# KiCad board beaglebone-ai.kicad_pcb (continued)
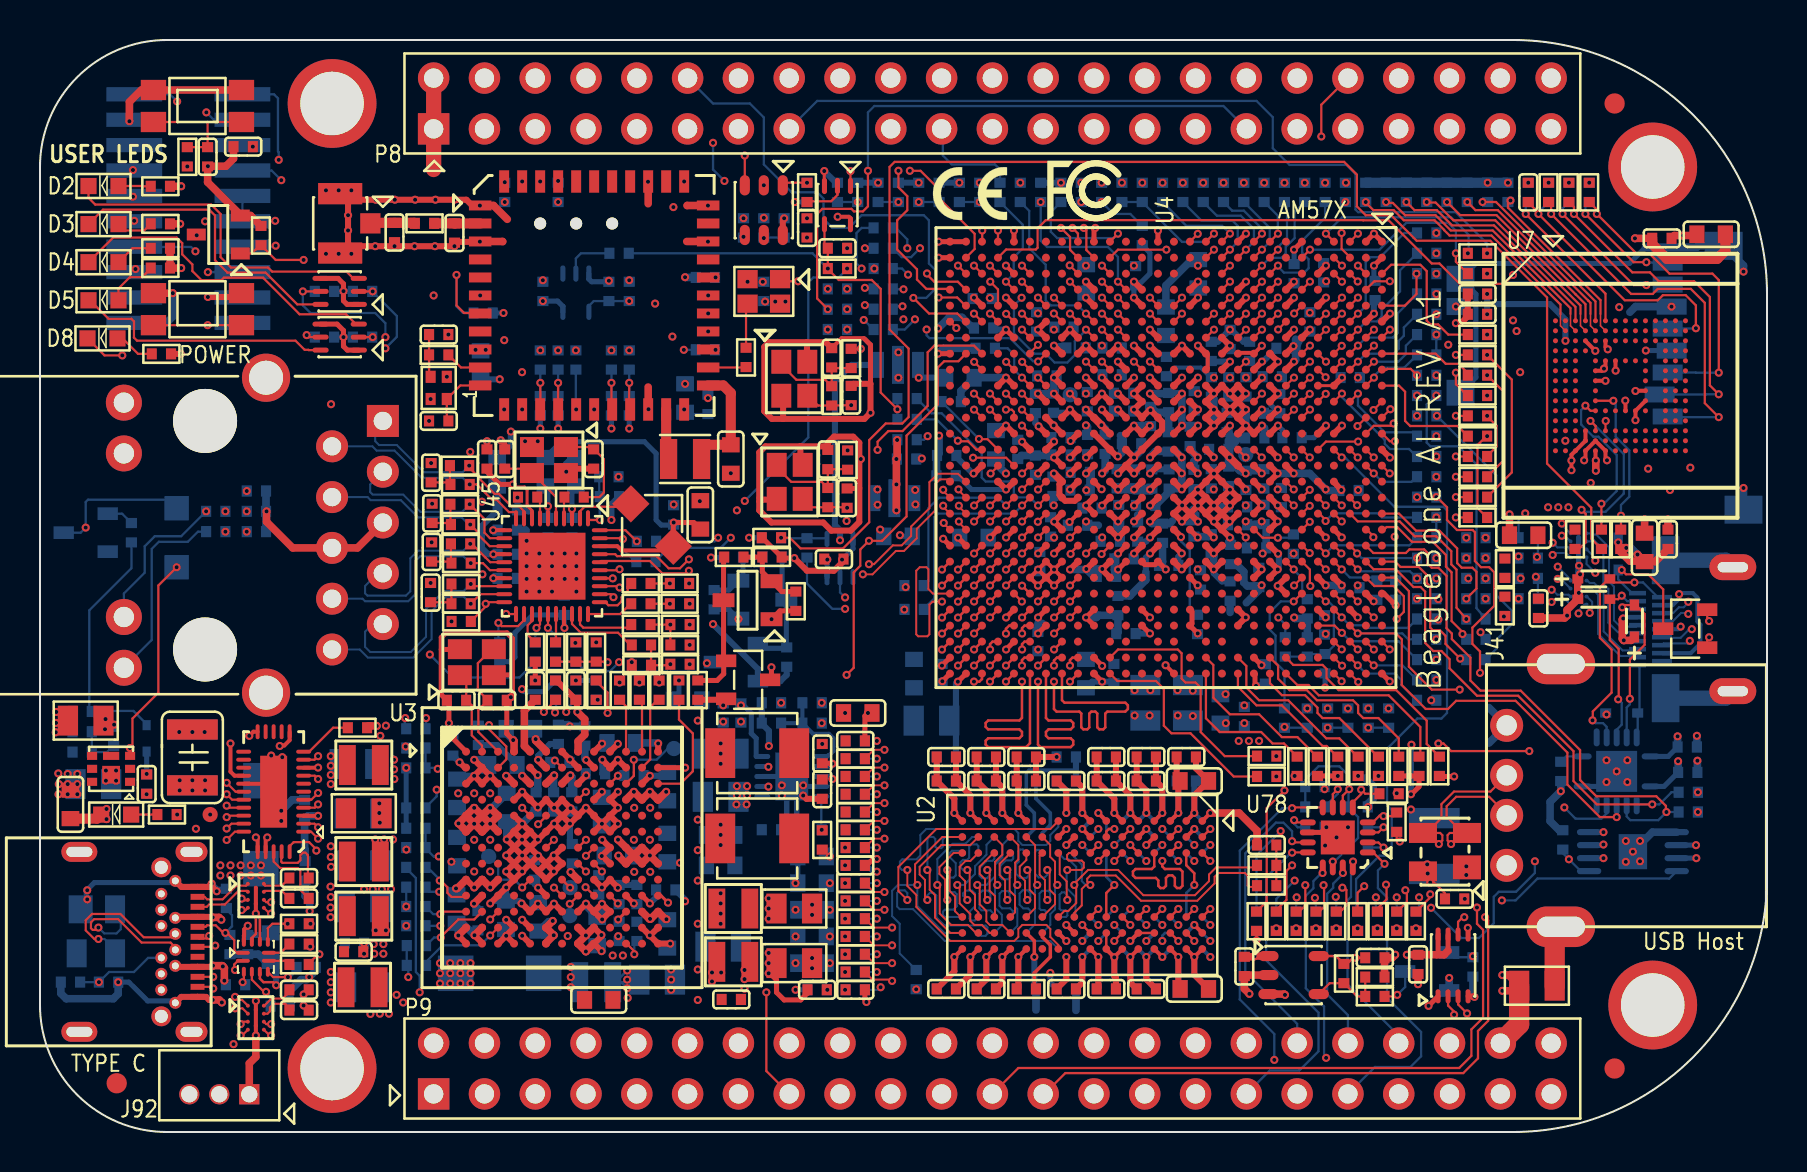
[diagram p0: board, top side]
## Routing (per net, layer and track width the routed paths; a pad name or vN(x,y) marks a point on that pad's centre or on a via; arc(x,y) is an arc through that point) (continued)
AIN4: length 16.9
  TOP w0.114: v1(62.61,13.97) 62.62,13.98 U78.12
  BOTTOM w0.114: P9.33 61.49,3.07 62.97,3.07 63.93,4.04 63.93,5.97 61.32,8.59 61.32,12.73 62.56,13.97 v1(62.61,13.97)
AIN5: length 15
  TOP w0.114: U78.11 62.67,14.48 v1(62.61,14.54)
  BOTTOM w0.114: v1(62.61,14.54) 62.61,15.04 62.18,15.47 61.8,15.47 60.27,13.94 60.27,8 62.86,5.41 P9.36
AIN6: length 18.4
  TOP w0.114: U78.8 62.65,16.23 v1(62.61,16.19)
  PWR_L6 w0.102: P9.35 61.72,3.05 v1(61.72,3.61)
  BOTTOM w0.114: v1(62.61,16.19) 62.12,16.19 59.99,14.07 59.99,6.63 61.72,4.9 v1(61.72,3.61)
B3_GPIO4_28: length 22.9
  TOP w0.114: U4.B3 v1(65.9,43.33)
  SIG_L8 w0.102: v1(65.9,43.33) 65.9,43.44 65.41,43.94 64.64,43.94 63.94,44.64 63.94,45.78 62.89,46.84 54.83,46.84 54.48,47.18 54.48,48.2 53.91,48.77 51.75,48.77 51.31,49.21 51.31,51.56 P8.26
B4_GPIO4_29: length 41.4
  TOP w0.114: U4.B4 66.72,42.54 v1(67.5,42.54)
  INT_L3 w0.102: v1(67.5,42.54) 67.5,45.4 66.87,46.04 66.87,48.2 66.36,48.7 66.36,50.93 65.66,51.63 52.01,51.63 51.44,52.2 51.44,53.34 50.99,53.78 38.54,53.78 P8.16
B7_GPIO8_16: length 5.8
  TOP w0.114: U4.B7 v1(66.7,40.13) ; R663.1 v1(70.8,38.86)
  SIG_L5 w0.102: v1(70.8,38.86) 70.28,38.86 70.03,39.12 69.34,39.12 68.71,39.75 67.38,39.75 67,40.13 v1(66.7,40.13)
B8_GPIO8_17: length 16.9
  TOP w0.114: U4.B8 v1(66.7,39.33)
  SIG_L5 w0.102: v1(66.7,39.33) 67,39.33 67.08,39.24 68.3,39.24 68.91,38.63 69.7,38.63 70.29,38.04 70.29,37.05 72.06,35.28 72.57,35.28 72.8,35.05 72.8,30.99 73.56,30.23 73.56,28.4 74.04,27.91 v1(74.04,27.69)
B9_GPIO8_22: length 3.5
  TOP w0.114: U4.B9 v1(66.7,38.53)
  BOTTOM w0.114: v1(66.7,38.53) 67.93,38.53 68.3,38.9 68.3,39.32 R621.1
B10_VOUT1_DE: length 3.2
  TOP w0.114: U4.B10 v1(66.7,37.73)
  BOTTOM w0.114: v1(66.7,37.73) 66.7,37.8 67.13,38.23 68.22,38.23 R620.1
B12_SPI3_SCLK: length 30.9
  TOP w0.114: U4.B12 v1(65.88,35.3)
  SIG_L10 w0.102: v1(65.88,35.3) 66.27,35.69 66.27,36.35 66.42,36.5 66.83,36.5 67.12,36.21 67.12,34.29 67.32,34.09 67.83,34.09 68.14,33.78 68.14,30.87 69.22,29.79 69.22,26.39 68.81,25.98 68.81,20.55 67.34,19.08 67.34,17.5 67.18,17.35 67.18,16.41 67.56,16.03 67.56,14.05 67.69,13.92 67.69,13.21 67.46,12.98 67.01,12.98 66.85,12.83 66.85,11.79 v1(66.8,11.73)
  BOTTOM w0.114: R645.1 66.8,11.1 v1(66.8,11.73)
B13_SPI3_D0: length 55.9
  TOP w0.114: v1(67.69,35.43) 67.58,35.32 66.7,35.32 U4.B13
  SIG_L5 w0.102: P9.30 55.25,5.41 55.68,5.84 62.66,5.84 63.56,6.75 63.56,7.62 65.28,9.33 65.28,10.58 65.54,10.85 69.04,10.85 70.13,9.75 71.5,9.75 71.81,10.06 71.81,10.72 71.4,11.13 70.94,11.13 70.64,11.43 70.64,13.61 71.17,14.15 71.17,15.29 70.18,16.28 70.18,17.81 71.04,18.67 71.04,20.35 70.48,20.9 70.48,23.75 70.97,24.23 72.16,24.23 72.72,24.79 72.72,25.96 72.97,26.21 72.97,27.64 72.39,28.22 72.19,28.22 71.93,28.47 71.93,30.23 71.63,30.53 71.63,33.55 71.04,34.14 69.01,34.14 68.38,34.77 68.38,34.9 67.84,35.43 v1(67.69,35.43)
B14_MCASP_ACLKR: length 76.3
  TOP w0.114: U4.B14 v1(66.69,33.73)
  SIG_L8 w0.102: P9.12 33.4,3.43 33.43,3.43 33.78,3.07 51.38,3.07 51.56,3.25 67.97,3.25 68.91,4.19 68.91,6.45 69.55,7.09 69.55,9.98 70.13,10.57 70.13,13.61 69.55,14.2 69.55,14.66 70.64,15.75 70.64,16.81 71.58,17.75 71.58,20.9 72.62,21.95 72.62,24.13 74.4,25.91 74.4,28.93 73.99,29.34 71.15,29.34 70.1,30.38 68.33,30.38 67.11,31.6 67.11,33.32 66.7,33.73 v1(66.69,33.73)
B19_UART5_RXD: length 10.2
  TOP w0.114: v1(66.67,29.74) 66.67,29.79 66.34,30.13 U4.B19
  SIG_L8 w0.102: v1(73.94,26.67) 73.51,27.1 73.51,28.45 72.85,29.11 71.04,29.11 70,30.15 67.08,30.15 v1(66.67,29.74)
B22_UART3_TXD: length 9.1
  TOP w0.114: v1(67.84,25.65) 68.2,26.01 68.2,26.8 67.69,27.3 66.72,27.3 U4.B22
  INT_L3 w0.102: v1(67.84,25.65) 68.17,25.32 68.17,22.53 67.51,21.87 67.11,21.87 v1(66.42,21.18)
B24_SPI2_CS0: length 18.7
  TOP w0.114: U4.B24 v1(66.69,25.73)
  SIG_L5 w0.102: v1(66.69,25.73) 66.31,25.35 65.74,25.35 65.51,25.12 65.51,24.74 65.33,24.56 64.9,24.56 64.49,24.16 64.49,22.56 64.87,22.17 64.87,21.18 65.48,20.57 65.48,20.04 63.09,17.65 63.09,12.98 62.74,12.62 v1(62.74,12.57)
  BOTTOM w0.114: R632.1 61.82,11.66 v1(62.74,12.57)
B26_TIMER15: length 5.2
  TOP w0.114: U4.B26 v1(66.7,24.13)
  INT_L3 w0.102: v1(66.7,24.13) 66.43,23.86 66.42,23.86 66.31,23.75 65.02,23.75 64.71,23.43 64.71,21.5 v1(64.39,21.18)
C1_GPIO4_7: length 38.9
  TOP w0.114: v1(68.28,12.09) 68.35,12.01 68.35,11.51 67.87,11.02 R580.1 ; U4.C1 v1(65.9,44.93)
  SIG_L10 w0.102: v1(68.28,12.09) 68.28,13.06 68.66,13.44 68.66,14.88 69.82,16.05 69.82,18.67 70.36,19.2 70.36,32 69.98,32.38 69.66,32.38 68.94,33.11 68.94,35.39 69.22,35.67 69.22,35.96 67.95,37.23 67.95,39.31 68.17,39.54 68.17,41.56 67.95,41.79 67.95,44.32 67.77,44.5 66.33,44.5 v1(65.9,44.93)
C2_GPIO4_14: length 42.5
  TOP w0.114: v1(65.09,44.96) 65.09,44.17 65.5,43.75 U4.C2
  SIG_L10 w0.102: v1(68.96,11.73) 68.91,11.73 68.66,11.99 68.66,13.08 68.96,13.39 68.96,14.76 70.12,15.91 70.12,18.53 70.61,19.02 70.61,29.72 71.18,30.29 71.18,33.08 70.99,33.27 69.78,33.27 69.22,33.84 69.22,35.34 69.44,35.57 69.44,36.06 69.22,36.28 69.22,36.98 69.01,37.19 68.41,37.19 68.2,37.4 68.2,38.93 68.4,39.13 68.4,41.65 68.2,41.86 68.2,44.63 67.42,45.4 65.53,45.4 v1(65.09,44.96)
  BOTTOM w0.114: v1(68.96,11.73) 68.96,11.18 R578.1
C3_GPIO4_15: length 21.5
  TOP w0.114: U4.C3 v1(65.89,42.53)
  SIG_L5 w0.102: v1(74.27,30.94) 74.47,31.14 74.47,40.77 72.95,42.29 69.55,42.29 69.14,41.88 66.54,41.88 v1(65.89,42.53)
  BOTTOM w0.114: v1(74.27,30.94) 73.94,30.61 R668.1
C5_EHRPWM3B: length 78.8
  TOP w0.114: U4.C5 v1(65.9,41.73)
  SIG_L5 w0.102: v1(65.9,41.73) 66.08,41.55 70.08,41.55 70.59,42.06 71.67,42.06 72.2,41.53 73.36,41.53 74.07,40.82 74.07,40.21 73.91,40.06 v1(73.84,40.06)
  SIG_L10 w0.102: v1(73.84,40.06) 73.77,40.06 73.51,39.79 73.51,36.63 73.1,36.22 73.1,34.24 72.52,33.66 72.52,31.27 73.3,30.48 73.3,26.64 72.39,25.73 72.39,23.88 71.63,23.11 71.63,14.25 70.84,13.46 70.84,9.68 69.34,8.18 69.34,7.24 67.31,5.21 38.23,5.21 P9.16
C6_VOUT1_D13: length 6.5
  TOP w0.114: U4.C6 v1(65.9,40.93)
  BOTTOM w0.114: R614.1 68.22,44.96 67.02,43.75 66.55,43.75 66.29,43.5 66.29,41.31 65.91,40.93 v1(65.9,40.93)
C7_VOUT1_D15: length 5.9
  TOP w0.114: U4.C7 v1(65.9,40.13)
  BOTTOM w0.114: v1(65.9,40.13) 66.32,40.54 66.86,40.54 67.09,40.76 67.09,41.12 68.01,42.04 68.01,43.09 R616.1
C8_VOUT1_D14: length 5.2
  TOP w0.114: U4.C8 v1(65.9,39.33)
  BOTTOM w0.114: R619.1 67.89,40.94 67.89,39.96 67.65,39.73 66.31,39.73 v1(65.9,39.33)
C9_GPIO8_20: length 5
  TOP w0.114: U4.C9 v1(65.9,38.53)
  BOTTOM w0.114: v1(65.9,38.53) 66.3,38.93 67.69,38.93 67.95,39.18 67.95,39.56 68.2,39.81 68.2,40.23 R623.1
C11_VOUT1_HSYNC: length 4.8
  TOP w0.114: U4.C11 v1(65.9,36.93)
  BOTTOM w0.114: R625.1 68.67,34.99 67.25,34.99 65.9,36.33 v1(65.9,36.93)
C14_MCASP1_ACLKx: length 34.9
  TOP w0.114: v1(67.31,12.37) 67.34,12.34 67.34,11.63 66.88,11.18 R646.1 ; U4.C14 v1(65.89,33.73)
  SIG_L10 w0.102: v1(67.31,12.37) 67.31,12.42 68.38,13.49 68.38,15.6 67.46,16.51 67.46,17.25 67.72,17.5 67.72,19.08 69.11,20.47 69.11,25.96 69.47,26.31 69.47,30.23 69.22,30.48 69.22,32 68.39,32.83 68.39,34.67 68.07,34.99 68.07,36.2 66.93,37.34 65.66,37.34 65.48,37.16 65.48,34.15 v1(65.89,33.73)
C17_UART5_TXD: length 56.9
  TOP w0.114: U4.C17 65.5,31.7 v1(65.86,31.34)
  SIG_L5 w0.102: v1(65.86,31.34) 65.86,29.79 65.41,29.34 63.25,29.34 63.07,29.16 63.07,28.57 63.14,28.5 63.14,25.37 62.66,24.89 60.96,24.89 58.67,22.61 58.67,19.38 59.69,18.36 59.69,9.4 58.61,8.32 52.01,8.32 51.26,7.57 49.23,7.57 48.13,6.48 42.23,6.48 41.47,5.71 39.31,5.71 38.61,5.02 38.61,3.68 37.91,2.98 35.94,2.98 34.92,1.97 P9.13
C18_UART8_RXD: length 9.5
  TOP w0.114: v1(71.32,25.65) 70.83,26.22 70.83,28.12 70.57,28.38 70.57,29.04 69.82,29.79 68.73,29.79 67.99,30.53 65.89,30.53 U4.C18
C23_CLKOUT3: length 28.1
  TOP w0.114: U4.C23 v1(65.89,26.53)
  SIG_L5 w0.102: v1(67.84,11.73) 67.84,11.56 67.61,11.33 62.69,11.33 60.45,13.56 60.45,18.08 61.59,19.23 64.08,19.23 64.95,20.09 64.95,20.42 64.64,20.73 64.11,20.73 63.88,20.96 63.88,24.26 64.14,24.51 64.45,24.51 64.71,24.77 64.71,25.08 64.96,25.34 65.28,25.34 65.47,25.53 65.47,26.11 v1(65.89,26.53)
  BOTTOM w0.114: R579.1 v1(67.84,11.73)
D1_GPIO4_3: length 9.4
  TOP w0.114: U4.D1 v1(64.3,44.93)
  BOTTOM w0.114: v1(64.3,44.93) 64.58,45.2 64.58,45.21 65.11,45.75 70.56,45.75 71.44,44.87 71.44,43.98 v1(71.4,43.94)
D2_UART8_CTSN: length 40.3
  TOP w0.114: U4.D2 v1(65.1,43.32) ; v1(63.27,12.34) 63.27,11.33 62.97,11.02 R639.1
  SIG_L10 w0.102: v1(65.1,43.32) 64.72,42.94 64.72,42.37 64.97,42.11 65.25,42.11 65.53,41.83 65.53,40.79 65.3,40.56 64.95,40.56 64.72,40.34 64.72,39.95 64.52,39.75 63.98,39.75 63.88,39.65 63.88,37.52 64.11,37.29 64.57,37.29 64.72,37.13 64.72,33.6 65.02,33.3 65.79,33.3 67.34,31.75 67.34,25.58 68.11,24.8 68.11,20.57 66.64,19.1 65.2,19.1 63.86,17.75 63.86,13.41 63.25,12.8 63.25,12.37 v1(63.27,12.34)
D3_EHRPWM2B: length 40.6
  TOP w0.114: U4.D3 v1(65.1,42.52)
  SIG_L8 w0.102: v1(65.1,42.52) 64.7,42.93 63.82,42.93 63.12,43.62 63.12,45.15 61.94,46.33 54.25,46.33 53.49,47.09 50.06,47.09 48.13,49.02 44.39,49.02 43.75,49.66 43.75,52.77 42.85,53.67 36.52,53.67 36.13,53.28 36.13,51.37 P8.13
D5_GPIO4_13: length 40.4
  TOP w0.114: U4.D5 v1(65.1,41.73)
  SIG_L8 w0.102: v1(65.1,41.73) 65.16,41.73 65.51,42.08 65.51,43.46 65.28,43.69 64.45,43.69 63.69,44.45 63.69,44.96 62.06,46.58 54.38,46.58 53.66,47.31 53.66,48.01 53.15,48.51 49.15,48.51 48.39,49.28 44.51,49.28 43.98,49.81 43.98,52.86 42.95,53.89 36.11,53.89 P8.14
D6_EHRPWM3A: length 81.1
  TOP w0.114: U4.D6 v1(65.1,40.93)
  SIG_L5 w0.102: v1(65.1,40.93) 65.31,40.93 65.71,41.33 70.21,41.33 70.66,41.78 71.18,41.78 71.69,41.27 72.86,41.27 73.54,40.59 v1(73.66,40.59)
  SIG_L10 w0.102: P9.14 35.94,5.46 66.98,5.46 68.43,6.91 68.43,7.59 70.61,9.78 70.61,13.56 71.37,14.33 71.37,23.24 71.63,23.5 71.63,25.37 73.08,26.82 73.08,30.23 72.19,31.12 72.19,33.71 72.87,34.39 72.87,36.47 73.2,36.8 73.2,40.13 v1(73.66,40.59)
D7_VOUT1_D10: length 10
  TOP w0.114: R685.1 71.37,36.83 70.8,37.4 v1(70.8,37.97) ; U4.D7 v1(65.09,40.12)
  SIG_L8 w0.102: v1(70.8,37.97) 70.29,37.46 69.51,37.46 69.41,37.57 69.41,39.24 68.96,39.69 65.53,39.69 65.1,40.12 v1(65.09,40.12)
D8_VOUT1_D11: length 9.3
  TOP w0.114: U4.D8 v1(65.09,39.32) ; R683.1 v1(70.8,35.81)
  SIG_L5 w0.102: v1(65.09,39.32) 65.36,39.32 65.75,38.93 68.21,38.93 68.73,38.4 69.14,38.4 69.39,38.15 69.39,36.53 69.6,36.32 70.29,36.32 v1(70.8,35.81)
D9_VOUT1_D9: length 5.3
  TOP w0.114: U4.D9 v1(65.1,38.53)
  SIG_L5 w0.102: v1(68.86,36.83) 68.88,36.86 68.88,37.24 68,38.13 65.5,38.13 v1(65.1,38.53)
D11_VOUT1_CLK: length 5.8
  TOP w0.114: U4.D11 v1(65.1,36.93)
  BOTTOM w0.114: v1(65.1,36.93) 65.1,36.75 67.25,34.61 67.25,34.42 67.51,34.16 68.46,34.16 68.83,33.78 R622.1
D14_MCASP1_FSX: length 30.1
  TOP w0.114: U4.D14 v1(65.09,33.73)
  BOTTOM w0.114: R644.1 65.81,11.1 65.81,12.65 66.98,13.82 67.44,13.82 67.59,13.97 67.59,16.1 67.36,16.33 67.36,19.16 68.87,20.68 70.08,20.68 70.36,20.96 70.36,31.09 70.18,31.27 67.73,31.27 65.26,33.73 v1(65.09,33.73)
D17_UART8_RTSN: length 11.8
  TOP w0.114: U4.D17 v1(65.09,31.33)
  INT_L3 w0.102: v1(65.09,31.33) 65.48,31.72 67.89,31.72 68.35,32.18 70.88,32.18 71.18,31.88 71.18,30.35 70.87,30.04 70.87,28.24 v1(71.42,27.69)
  BOTTOM w0.114: R617.1 v1(71.42,27.69)
D18_DPIO6_17: length 53.7
  TOP w0.114: P9.25 50.23,1.9 51.27,2.95 71.17,2.95 71.91,3.68 71.91,5.05 72.42,5.56 72.42,10.59 v1(72.26,10.74) ; v1(72.01,22.96) 72.01,24.03 71.63,24.41 71.63,25.22 72.72,26.31 72.72,27.99 72.47,28.24 72.06,28.24 71.75,28.55 71.75,29.99 71.64,30.11 70.86,30.11 70.36,30.61 70.36,31.24 69.85,31.75 v1(69.82,31.75)
  SIG_L5 w0.102: v1(72.26,10.74) 72.29,10.77 72.29,11.48 71.68,12.09 71.68,22.45 72.01,22.78 v1(72.01,22.96)
DDR1_A0: length 45.3
  TOP w0.1: R36.2 41.69,9.33 v1(42.61,9.33) ; U2.N3 48.52,13.95 47.99,13.41 47.99,12.85 48.26,12.58 48.26,11.71 48.37,11.6 v1(48.37,11.6)
  TOP w0.127: U4.AD20 v1(48.31,28.93)
  SIG_L5 w0.121: v1(48.37,11.6) 46.45,9.69 43.22,9.69 42.86,9.33 v1(42.61,9.33)
  SIG_L10 w0.121: v1(48.37,11.6) 48.37,12.55 48.76,12.94 48.76,13.28 48.51,13.53 48.51,13.65 48.64,13.78 49.78,13.78 49.91,13.91 49.91,14.1 49.78,14.22 48.64,14.22 48.51,14.35 48.51,14.54 48.64,14.67 49.78,14.67 49.91,14.8 49.91,14.99 49.78,15.11 48.64,15.11 48.51,15.24 48.51,15.43 48.64,15.56 49.21,15.56 49.33,15.68 49.33,16.21 49.18,16.35 48.64,16.35 48.52,16.47 48.52,16.64 48.64,16.76 49.21,16.76 49.34,16.89 49.34,17.08 49.21,17.21 48.64,17.21 48.51,17.34 48.51,18.86 48.39,18.99 46.36,18.99 44.83,20.51 44.83,21.72 44.32,22.23 44.32,23.94 44.9,24.52 45.25,24.52 45.47,24.73 45.47,25.02 45.78,25.34 46.1,25.34 46.34,25.58 46.34,25.88 46.56,26.09 46.58,26.09 46.61,26.12 46.82,26.12 47.1,26.4 47.1,26.7 47.34,26.94 47.7,26.94 47.92,27.15 47.92,27.47 48.2,27.75 48.45,27.75 48.7,28 48.7,28.53 v1(48.31,28.93)
  BOTTOM w0.1: v1(48.37,11.6) 48.39,11.6 48.49,11.71 48.49,11.95 48.39,12.05 48.11,12.05 47.98,11.92 47.98,11.31 48.11,11.19 48.51,11.19 48.64,11.06 48.64,10.86 48.54,10.75 U11.N3
DDR1_A1: length 44.1
  TOP w0.1: v1(47.37,13.1) 47.49,12.99 47.49,12.07 47.75,11.8 47.75,10.78 47.73,10.75 U2.P7 ; v1(42.23,16.45) 41.69,16.45 R137.2
  TOP w0.127: U4.AC19 v1(49.11,29.73)
  INT_L3 w0.121: v1(47.37,13.1) 47.37,13.1 47.37,12.32 47.04,11.99 43.34,11.99 42.61,12.72 42.61,13.83 42.99,14.21 42.99,25.15 43.12,25.27 44.07,25.27 44.2,25.4 44.2,25.59 44.07,25.72 43.75,25.72 43.62,25.84 43.62,26.04 43.75,26.16 44.07,26.16 44.2,26.29 44.2,26.48 44.07,26.61 43.75,26.61 43.62,26.73 43.62,26.92 43.75,27.05 44.07,27.05 44.2,27.18 44.2,27.37 44.07,27.5 43.75,27.5 43.64,27.61 43.64,27.74 44.43,28.52 47.65,28.52 47.9,28.78 47.9,29.06 48.17,29.33 48.43,29.33 48.83,29.73 v1(49.11,29.73)
  SIG_L5 w0.121: v1(47.37,13.1) 44.03,16.45 v1(42.23,16.45)
  BOTTOM w0.1: U11.P7 47.72,13.65 47.63,13.56 47.35,13.56 46.98,13.2 46.98,12.81 47.1,12.69 47.35,12.69 47.49,12.84 47.49,12.98 v1(47.37,13.1)
DDR1_A2: length 43.7
  TOP w0.1: U2.P3 47.68,13.95 47.27,13.55 46.99,13.27 46.99,12.91 47.26,12.64 47.26,11.71 47.36,11.6 v1(47.37,11.6)
  TOP w0.127: U4.AC20 v1(49.11,28.93)
  SIG_L5 w0.121: v1(47.37,11.6) 47.37,11.3 46.14,10.07 43.09,10.07 42.8,9.78 v1(41.85,9.78)
  SIG_L10 w0.121: v1(47.37,11.6) 46.99,11.99 46.72,11.99 46.51,12.2 46.51,12.6 46.93,13.02 46.93,16.19 46.79,16.33 45.84,16.33 45.72,16.45 45.72,16.7 45.85,16.83 46.8,16.83 46.93,16.95 46.93,17.14 46.8,17.27 45.85,17.27 45.72,17.4 45.72,17.59 45.85,17.72 46.8,17.72 46.93,17.84 46.93,18.03 46.8,18.16 46.16,18.16 44.07,20.26 44.07,21.46 43.56,21.97 43.56,24.77 44.96,26.16 45.26,26.16 45.47,26.37 45.47,27.5 45.69,27.72 47.65,27.72 47.9,27.97 47.9,29.97 48.03,30.1 48.58,30.1 48.7,29.97 48.7,29.21 48.98,28.93 v1(49.11,28.93)
  BOTTOM w0.1: U11.P3 47.72,10.89 47.53,11.08 47.08,11.08 46.98,11.18 46.98,11.92 47.13,12.07 47.4,12.07 47.53,11.95 47.53,11.69 47.44,11.6 v1(47.37,11.6) ; R37.2 v1(41.85,9.78)
DDR1_A3: length 50.2
  TOP w0.1: v1(48.87,12.35) 48.76,12.46 48.76,13.47 48.92,13.63 48.92,14.35 U2.N2
  TOP w0.127: U4.AB19 v1(49.91,29.73)
  SIG_L5 w0.121: v1(48.87,12.35) 48.87,11.52 46.66,9.31 43.34,9.31 42.93,8.89 v1(41.85,8.89)
  SIG_L8 w0.121: v1(48.87,12.35) 48.87,11.58 48.18,10.9 44.78,10.9 44.46,11.21 43.24,11.21 43,11.46 43,12.42 42.65,12.77 42.65,13.46 42.95,13.77 42.95,19.93 41.38,21.51 41.38,27.03 44.79,30.43 44.79,30.73 44.98,30.92 47.71,30.92 47.9,30.73 47.9,30.28 48.06,30.12 49.25,30.12 49.65,29.73 v1(49.91,29.73)
  BOTTOM w0.1: U11.N2 48.87,10.3 48.87,11.15 48.76,11.27 48.76,12.24 v1(48.87,12.35) ; R39.2 v1(41.85,8.89)
DDR1_A4: length 43.7
  TOP w0.1: v1(45.87,12.35) 45.87,12.35 45.87,12.35 45.99,12.24 45.99,11.43 46.52,10.9 46.52,10.55 46.72,10.35 47.1,10.35 47.5,9.95 U2.P8 ; R136.2 41.69,15.56 v1(42.23,15.56)
  TOP w0.127: U4.AF21 v1(46.71,28.13)
  SIG_L5 w0.121: v1(45.87,12.35) 45.87,13.27 43.58,15.56 v1(42.23,15.56)
  SIG_L8 w0.121: v1(45.87,12.35) 45.93,12.41 45.93,13.27 45.91,13.27 45.66,13.53 44.32,13.53 44.2,13.65 44.2,14.03 44.32,14.16 44.45,14.16 44.58,14.29 44.58,14.6 44.45,14.73 44.32,14.73 44.2,14.85 44.2,20.12 42.42,21.89 42.42,26.62 42.67,26.87 43.51,26.87 43.81,27.18 43.81,27.5 44.05,27.73 46.99,27.73 47.12,27.6 47.12,27.05 47.24,26.92 47.82,26.92 47.94,26.8 47.94,26.61 48.07,26.48 48.58,26.48 48.7,26.61 48.7,26.8 48.83,26.92 49.27,26.92 49.53,27.18 49.53,27.62 49.4,27.75 47.37,27.75 46.99,28.13 v1(46.71,28.13)
  BOTTOM w0.1: v1(45.87,12.35) 46.21,12.35 46.76,12.9 46.76,13.23 46.76,13.23 46.76,13.29 47.33,13.87 47.33,14.36 U11.P8
DDR1_A5: length 45.4
  TOP w0.1: v1(47.87,12.35) 47.87,12.35 47.76,12.46 47.76,13.51 48.12,13.87 48.12,14.35 U2.P2
  TOP w0.127: U4.AH22 v1(45.1,27.32)
  SIG_L5 w0.121: v1(41.85,16.89) 44.14,16.89 47.87,13.16 v1(47.87,12.35)
  SIG_L8 w0.121: v1(47.87,12.35) 47.87,13.39 48.01,13.53 48.45,13.53 48.58,13.65 48.58,14.29 48.45,14.41 48.2,14.41 48.07,14.29 48.07,14.03 47.94,13.91 47.75,13.91 47.62,14.03 47.62,14.29 47.5,14.41 47.31,14.41 47.18,14.29 47.18,13.53 47.05,13.4 46.86,13.4 46.74,13.53 46.74,14.29 46.61,14.41 46.42,14.41 46.29,14.29 46.29,13.84 46.16,13.72 45.97,13.72 45.85,13.84 45.85,14.29 45.72,14.41 45.53,14.41 45.4,14.29 45.4,14.03 45.28,13.91 45.09,13.91 44.96,14.03 44.96,14.54 45.15,14.73 45.15,14.99 45.02,15.11 44.7,15.11 44.58,15.24 44.58,16.89 44.7,17.02 45.09,17.02 45.21,17.14 45.21,17.34 45.09,17.46 44.7,17.46 44.58,17.59 44.58,17.78 44.7,17.91 45.09,17.91 45.21,18.03 45.21,18.22 45.09,18.35 44.7,18.35 44.58,18.48 44.58,18.67 44.7,18.8 45.09,18.8 45.21,18.92 45.21,19.11 45.09,19.24 44.7,19.24 44.58,19.37 44.58,19.56 44.7,19.69 45.09,19.69 45.21,19.81 45.21,20 45.09,20.13 44.67,20.13 42.8,22 42.8,26.42 42.93,26.54 43.69,26.54 44.47,27.32 v1(45.1,27.32)
  BOTTOM w0.1: R43.2 v1(41.85,16.89) ; v1(47.87,12.35) 47.75,12.24 47.75,11.21 48.1,10.87 48.1,10.33 47.72,9.95 U11.P2
DDR1_A6: length 41.7
  TOP w0.1: v1(44.87,12.35) 44.87,12.35 44.99,12.23 44.99,10.93 45.56,10.35 46.4,10.35 46.8,9.95 U2.R8
  TOP w0.127: U4.AG23 v1(45.9,26.52)
  SIG_L5 w0.121: v1(41.85,12.45) 43.37,12.45 43.66,12.74 44.01,12.74 44.5,12.24 44.5,12.23 44.74,12.23 v1(44.87,12.35)
  SIG_L8 w0.121: v1(44.87,12.35) 44.91,12.32 44.91,11.33 45.01,11.23 47.9,11.23 47.98,11.3 47.98,11.77 48.48,12.27 48.48,12.67 48.89,13.08 48.89,13.34 49.02,13.46 49.21,13.46 49.34,13.59 49.34,13.78 49.21,13.91 49.04,13.91 48.92,14.03 48.92,14.22 49.04,14.35 49.21,14.35 49.34,14.48 49.34,14.67 49.21,14.8 45.85,14.8 44.96,15.68 44.96,16.26 45.59,16.89 45.59,20.38 45.47,20.51 44.77,20.51 43.18,22.1 43.18,25.53 44.57,26.92 46.24,26.92 46.36,26.8 46.36,26.64 46.24,26.52 v1(45.9,26.52)
  BOTTOM w0.1: v1(44.87,12.35) 44.87,12.36 44.87,13.65 45.63,14.41 46.26,14.41 46.27,14.41 46.28,14.41 46.62,14.75 46.63,14.75 U11.R8 ; R131.2 v1(41.85,12.45)
DDR1_A7: length 42.6
  TOP w0.1: v1(42.23,12) 41.69,12 R160.2 ; v1(44.37,11.6) 44.37,11.6 44.25,11.72 44.25,12.61 43.99,12.88 43.99,13.26 45.08,14.35 46.52,14.35 46.92,14.75 U2.R2
  TOP w0.127: U4.AE21 v1(47.51,28.13)
  SIG_L5 w0.121: v1(44.37,11.6) 43.98,11.6 43.58,12 v1(42.23,12)
  SIG_L10 w0.121: v1(47.51,28.13) 47.08,28.56 44.88,28.56 44.32,28 44.32,26.54 43.51,25.73 43.04,25.73 42.8,25.49 42.8,21.72 43.3,21.22 43.3,20.03 44.26,19.07 44.26,18.61 44.39,18.48 44.83,18.48 44.96,18.35 44.96,18.16 44.83,18.03 44.39,18.03 44.26,17.91 44.26,17.72 44.39,17.59 44.83,17.59 44.96,17.46 44.96,17.27 44.83,17.14 44.39,17.14 44.26,17.02 44.26,16.83 44.39,16.7 44.83,16.7 44.96,16.57 44.96,16.38 44.83,16.26 44.39,16.26 44.26,16.13 44.26,15.94 44.39,15.81 44.83,15.81 44.96,15.68 44.96,15.49 44.83,15.37 44.39,15.37 44.26,15.24 44.26,15.05 44.39,14.92 44.83,14.92 44.96,14.8 44.96,14.61 44.83,14.48 44.39,14.48 44.26,14.35 44.26,13.65 44.39,13.53 44.77,13.53 44.89,13.4 44.89,13.02 44.37,12.49 v1(44.37,11.6)
  BOTTOM w0.1: v1(44.37,11.6) 44.37,11.83 44.5,11.96 44.69,11.96 44.82,11.83 44.82,10.74 45.23,10.33 47.29,10.33 47.38,10.24 47.38,9.91 47.28,9.81 47.07,9.81 U11.R2
DDR1_A8: length 42.3
  TOP w0.1: v1(44.37,13.1) 44.37,13.1 44.45,13.02 44.46,13.02 44.49,12.99 44.49,12.11 44.76,11.85 44.76,10.72 45.53,9.95 U2.T8 ; v1(42.23,14.67) 41.69,14.67 R123.2
  TOP w0.127: U4.AF22 v1(46.7,27.32)
  INT_L3 w0.121: v1(46.7,27.32) 46.99,27.32 47.12,27.2 47.12,26.29 46.99,26.16 46.43,26.16 46.3,26.04 46.3,24.79 46.04,24.52 45.78,24.52 45.5,24.24 45.5,23.99 45.24,23.72 44.9,23.72 44.7,23.52 44.7,21.97 44.83,21.84 45.28,21.84 45.4,21.72 45.4,21.53 45.28,21.4 44.83,21.4 44.7,21.27 44.7,21.08 44.83,20.96 45.28,20.96 45.4,20.83 45.4,20.64 45.28,20.51 44.83,20.51 44.7,20.38 44.7,20.19 44.83,20.07 45.28,20.07 45.4,19.94 45.4,19.75 45.28,19.62 44.83,19.62 44.7,19.49 44.7,19.3 44.83,19.18 45.28,19.18 45.4,19.05 45.4,18.86 45.28,18.73 44.83,18.73 44.7,18.61 44.7,18.41 44.83,18.29 45.28,18.29 45.4,18.16 45.4,17.97 45.28,17.84 44.83,17.84 44.7,17.72 44.7,17.53 44.83,17.4 45.28,17.4 45.4,17.27 45.4,17.08 45.28,16.95 44.83,16.95 44.7,16.83 44.7,16.64 44.83,16.51 45.28,16.51 45.4,16.38 45.4,16.19 45.28,16.07 44.83,16.07 44.7,15.94 44.7,15.75 44.83,15.62 45.28,15.62 45.4,15.49 45.4,15.3 45.28,15.18 44.26,15.18 44.13,15.05 44.13,14.86 44.26,14.73 45.59,14.73 45.72,14.61 45.72,14.41 45.59,14.29 44.26,14.29 44.13,14.16 44.13,13.97 44.26,13.84 44.64,13.84 44.77,13.72 44.77,13.23 44.64,13.1 v1(44.37,13.1)
  SIG_L5 w0.121: v1(42.23,14.67) 42.81,14.67 v1(44.37,13.1)
  BOTTOM w0.1: U11.T8 45.27,14.75 45.14,14.62 45.14,14.26 45.07,14.2 44.84,14.2 44.77,14.27 44.77,14.66 44.67,14.75 44.48,14.75 44.38,14.66 44.38,13.1 v1(44.37,13.1)
DDR1_A9: length 42.2
  TOP w0.1: v1(46.37,11.6) 46.36,11.6 46.26,11.71 46.26,12.54 45.99,12.82 45.99,13.26 46.28,13.55 46.52,13.55 U2.R3
  TOP w0.127: U4.AE22 v1(47.51,27.33)
  SIG_L5 w0.121: v1(46.37,11.6) 45.56,10.79 42.8,10.79 42.67,10.67 v1(41.85,10.67)
  SIG_L10 w0.121: v1(47.51,27.33) 47.23,27.33 46.82,26.92 46.48,26.92 46.34,26.79 46.34,26.4 46.1,26.16 45.72,26.16 45.47,25.91 45.47,25.53 45.28,25.34 44.77,25.34 44.64,25.21 44.64,24.77 44.51,24.64 44.07,24.64 43.94,24.51 43.94,22.1 44.45,21.59 44.45,20.38 46.23,18.61 48.01,18.61 48.13,18.48 48.13,18.29 48.01,18.16 47.5,18.16 47.37,18.03 47.37,17.84 47.5,17.72 48.01,17.72 48.13,17.59 48.13,17.4 48.01,17.27 47.43,17.27 47.31,17.14 47.31,16.95 47.43,16.83 48.01,16.83 48.13,16.7 48.13,16.51 48.01,16.38 47.82,16.38 47.7,16.26 47.7,15.68 47.82,15.56 48.01,15.56 48.13,15.43 48.13,15.24 48.01,15.11 47.43,15.11 47.31,14.99 47.31,14.8 47.43,14.67 48.01,14.67 48.13,14.54 48.13,14.35 48.01,14.22 47.43,14.22 47.31,14.1 47.31,13.91 47.43,13.78 47.88,13.78 48.01,13.65 48.01,13.22 47.39,12.6 47.39,12.27 47.98,11.67 47.98,11.24 47.85,11.11 46.36,11.11 46.23,11.24 46.23,11.48 46.36,11.6 v1(46.37,11.6)
  BOTTOM w0.1: R40.2 v1(41.85,10.67) ; U11.R3 46.74,10.57 46.58,10.57 46.48,10.67 46.48,11.02 46.75,11.29 46.75,11.94 46.61,12.07 46.3,12.07 46.16,11.93 46.16,11.82 v1(46.37,11.6)
DDR1_A10: length 48.7
  TOP w0.1: v1(50.37,13.1) 50.49,12.99 50.49,12.11 50.76,11.85 50.76,11.39 U2.L7
  TOP w0.127: U4.AD21 v1(48.3,28.12)
  INT_L3 w0.121: v1(48.3,28.12) 48.5,28.12 48.9,28.52 49.4,28.52 49.53,28.39 49.53,25.46 49.66,25.34 50.17,25.34 50.29,25.21 50.29,24.65 50.17,24.52 48.15,24.52 47.9,24.28 47.9,23.92 47.7,23.72 47.37,23.72 47.1,23.46 47.1,22.1 46.98,21.97 46.77,21.97 46.64,21.84 46.64,21.65 46.77,21.53 47.58,21.53 47.7,21.4 47.7,19.94 47.83,19.81 49.53,19.81 49.66,19.69 49.66,19.49 49.53,19.37 47.83,19.37 47.7,19.24 47.7,19.05 47.83,18.92 49.53,18.92 49.66,18.8 49.66,18.61 49.53,18.48 47.83,18.48 47.7,18.35 47.7,18.16 47.83,18.03 49.21,18.03 49.34,17.91 49.34,13.74 49.97,13.1 v1(50.37,13.1)
  SIG_L5 w0.121: v1(41.85,18.67) 46.06,18.67 48.53,16.2 48.53,15.01 50.37,13.17 v1(50.37,13.1)
  BOTTOM w0.1: v1(50.37,13.1) 50.37,12.86 50.24,12.73 49.94,12.73 49.75,12.92 49.75,14 49.86,14.11 49.97,14.11 U11.L7 ; R125.2 v1(41.85,18.67)
DDR1_A11: length 42.7
  TOP w0.1: v1(46.37,13.1) 46.49,12.99 46.49,12.12 46.76,11.85 46.76,11.14 46.92,10.98 U2.R7
  TOP w0.127: U4.AD22 v1(48.31,27.33)
  INT_L3 w0.121: v1(46.37,13.1) 46.37,13.4 46.24,13.53 45.47,13.53 45.34,13.65 45.34,13.78 45.47,13.91 46.74,13.91 46.86,14.03 46.86,14.22 46.74,14.35 46.23,14.35 46.1,14.48 46.1,14.67 46.23,14.8 46.74,14.8 46.86,14.92 46.86,15.11 46.74,15.24 46.23,15.24 46.1,15.37 46.1,16.13 45.78,16.45 45.78,16.64 45.91,16.76 46.74,16.76 46.86,16.89 46.86,17.08 46.74,17.21 45.91,17.21 45.78,17.34 45.78,17.53 45.91,17.65 46.74,17.65 46.86,17.78 46.86,17.97 46.74,18.1 45.91,18.1 45.78,18.22 45.78,18.41 45.91,18.54 46.74,18.54 46.86,18.67 46.86,18.86 46.74,18.99 45.91,18.99 45.78,19.11 45.78,19.3 45.91,19.43 46.74,19.43 46.86,19.56 46.86,19.75 46.74,19.88 45.91,19.88 45.78,20 45.78,20.19 45.91,20.32 46.74,20.32 46.86,20.45 46.86,20.64 46.74,20.76 45.91,20.76 45.78,20.89 45.78,21.91 45.52,22.17 45.52,23.48 45.76,23.72 46.03,23.72 46.3,24 46.3,24.26 46.57,24.52 46.83,24.52 47.1,24.8 47.1,25.12 47.3,25.32 47.68,25.32 47.88,25.53 47.88,26.04 48.01,26.16 48.26,26.16 48.39,26.29 48.39,26.73 48.26,26.86 48.01,26.86 47.88,26.99 47.88,27.2 48.01,27.33 v1(48.31,27.33)
  SIG_L5 w0.121: v1(46.37,13.1) 46.37,13.32 43.69,16 v1(41.85,16)
  BOTTOM w0.1: R31.2 v1(41.85,16) ; v1(46.37,13.1) 46.16,13.1 46.03,13.24 46.03,13.48 46.15,13.61 46.36,13.61 46.47,13.72 46.47,14.28 46.57,14.38 46.85,14.38 46.92,14.31 U11.R7
DDR1_A12: length 45.8
  TOP w0.1: v1(42.23,17.34) 41.69,17.34 R132.2 ; v1(48.37,13.1) 48.37,13.1 48.49,12.98 48.49,12.07 48.76,11.8 48.76,10.98 48.53,10.75 U2.N7
  TOP w0.127: U4.AC21 v1(49.1,28.12)
  INT_L3 w0.121: v1(48.37,13.1) 48.36,13.1 47.94,13.53 47.37,13.53 47.24,13.65 47.24,14.1 47.37,14.22 48.7,14.22 48.83,14.35 48.83,14.54 48.7,14.67 47.37,14.67 47.24,14.8 47.24,14.99 47.37,15.11 48.7,15.11 48.83,15.24 48.83,15.43 48.7,15.56 47.05,15.56 46.93,15.68 46.93,16.19 47.07,16.33 48.71,16.33 48.83,16.45 48.83,16.64 48.7,16.76 47.37,16.76 47.24,16.89 47.24,17.08 47.37,17.21 48.7,17.21 48.83,17.34 48.83,17.53 48.7,17.65 47.37,17.65 47.24,17.78 47.24,21.02 47.12,21.15 46.43,21.15 46.3,21.27 46.3,23.44 46.58,23.72 46.84,23.72 47.1,23.99 47.1,24.24 47.35,24.49 47.61,24.49 47.9,24.79 47.9,25.07 48.16,25.32 48.49,25.32 48.72,25.56 48.72,27.74 v1(49.1,28.12)
  SIG_L5 w0.121: v1(48.37,13.1) 48.37,13.33 46.12,15.58 46.12,16.14 44.92,17.34 v1(42.23,17.34)
  BOTTOM w0.1: v1(48.37,13.1) 48.52,12.96 48.52,12.73 48.43,12.64 48.12,12.64 48.02,12.74 48.02,13.31 48.29,13.58 48.58,13.58 48.66,13.67 48.66,13.81 48.52,13.95 U11.N7
DDR1_A13: length 41.7
  TOP w0.1: U2.T3 45.68,13.95 44.98,13.25 44.98,12.91 45.26,12.63 45.26,11.72 v1(45.37,11.6) ; R142.2 41.69,11.11 v1(42.23,11.11)
  TOP w0.127: U4.AF18 v1(46.71,30.53)
  SIG_L5 w0.121: v1(45.37,11.6) 44.94,11.18 42.35,11.18 v1(42.23,11.11)
  SIG_L10 w0.121: v1(46.71,30.53) 46.33,30.15 45.66,30.15 45.54,30.03 45.54,29.42 45.41,29.29 44.63,29.29 42.04,26.7 42.04,21.46 42.61,20.89 42.61,19.79 42.98,19.42 42.98,19.05 43.11,18.92 43.43,18.92 43.55,18.8 43.55,18.61 43.43,18.48 43.11,18.48 42.98,18.35 42.98,18.16 43.11,18.03 43.43,18.03 43.55,17.91 43.55,17.72 43.43,17.59 43.11,17.59 42.98,17.46 42.98,17.27 43.11,17.14 43.43,17.14 43.55,17.02 43.55,16.83 43.43,16.7 43.11,16.7 42.98,16.57 42.98,16.38 43.11,16.26 43.43,16.26 43.55,16.13 43.55,15.94 43.43,15.81 43.11,15.81 42.98,15.68 42.98,15.49 43.11,15.37 43.43,15.37 43.55,15.24 43.55,15.05 43.43,14.92 43.11,14.92 42.98,14.8 42.98,11.44 43.69,10.73 45.21,10.73 45.37,10.89 v1(45.37,11.6)
  BOTTOM w0.1: U11.T3 45.24,10.75 45.15,10.84 45.15,11.02 45.25,11.12 45.68,11.12 45.84,11.29 45.84,11.9 45.74,11.99 45.48,11.99 45.37,11.88 v1(45.37,11.6)
DDR1_A14: length 41.5
  TOP w0.1: v1(45.37,13.1) 45.37,13.1 45.49,12.99 45.49,12.06 45.76,11.78 45.76,11.04 46.04,10.75 U2.T7
  TOP w0.127: U4.AE17 v1(47.51,31.33)
  INT_L3 w0.121: v1(45.37,13.1) 45.36,13.1 45.34,13.08 45.08,13.08 44.57,12.57 44.23,12.57 44.09,12.72 43.72,12.72 43.57,12.57 43.35,12.57 42.98,12.94 42.98,13.64 43.37,14.03 43.37,22.1 43.5,22.23 43.81,22.23 43.94,22.35 43.94,22.54 43.81,22.67 43.5,22.67 43.37,22.8 43.37,22.99 43.5,23.11 43.81,23.11 43.94,23.24 43.94,23.43 43.81,23.56 43.5,23.56 43.37,23.69 43.37,23.88 43.5,24 43.81,24 43.94,24.13 43.94,24.32 43.81,24.45 43.5,24.45 43.37,24.57 43.37,24.77 43.5,24.89 44.45,24.89 44.58,25.02 44.58,27.6 44.7,27.72 47.7,27.72 47.9,27.92 47.9,28.3 48.15,28.54 48.44,28.54 48.7,28.8 48.7,29.04 48.98,29.32 49.26,29.32 49.5,29.56 49.5,29.93 49.3,30.13 48.94,30.13 48.7,30.36 48.7,30.72 48.5,30.92 47.92,30.92 v1(47.51,31.33)
  SIG_L5 w0.121: v1(45.37,13.1) 43.36,15.11 v1(41.85,15.11)
  BOTTOM w0.1: v1(45.37,13.1) 45.37,12.81 45.47,12.72 45.68,12.72 45.79,12.83 45.79,13.45 45.51,13.73 45.51,13.97 45.61,14.06 46.01,14.06 U11.T7 ; R128.2 v1(41.85,15.11)
DDR1_A15: length 47.7
  TOP w0.1: v1(49.37,13.1) 49.49,12.99 49.49,12.11 49.75,11.85 49.75,11.19 U2.M7
  TOP w0.127: U4.AD18 v1(48.31,30.53)
  INT_L3 w0.121: v1(49.37,13.1) 49.23,13.1 48.98,12.86 48.68,12.86 48.26,12.44 48.26,12.19 47.76,11.69 47.76,11.44 47.45,11.13 43.3,11.13 42.9,11.52 42.9,11.96 42.24,12.62 42.24,14.06 42.65,14.47 42.65,27.24 44.58,29.17 46.28,29.17 46.43,29.33 47.66,29.33 47.92,29.58 47.92,30.14 v1(48.31,30.53)
  SIG_L5 w0.121: v1(49.37,13.1) 49.34,13.1 46.91,15.53 46.91,16.16 45.3,17.78 v1(41.85,17.78)
  BOTTOM w0.1: U11.M7 49.15,14.13 49.02,14.13 48.94,14.05 48.94,13.52 48.81,13.39 48.81,12.91 49.01,12.71 49.33,12.71 49.44,12.82 49.44,13.03 49.37,13.1 v1(49.37,13.1) ; R30.2 v1(41.85,17.78)
DDR1_BA0: length 52
  TOP w0.1: R33.2 41.69,18.22 v1(42.23,18.22) ; v1(49.87,12.35) 49.76,12.46 49.76,14.35 49.35,14.75 U2.M2
  TOP w0.127: U4.AF17 v1(46.71,31.33)
  SIG_L5 w0.121: v1(42.23,18.22) 45.62,18.22 47.72,16.12 47.72,15.33 49.87,13.19 v1(49.87,12.35)
  SIG_L8 w0.121: v1(46.71,31.33) 46.34,31.7 44.91,31.7 44.45,31.24 44.45,30.58 40.64,26.77 40.64,26.57 40.89,26.31 40.89,20.95 41.84,20 42,20 42.61,19.39 42.61,13.93 42.32,13.65 42.32,12.53 42.67,12.18 42.67,11.29 43.42,10.54 48.83,10.54 49.87,11.58 v1(49.87,12.35)
  BOTTOM w0.1: U11.M2 49.75,10.39 49.75,12.24 v1(49.87,12.35)
DDR1_BA1: length 43.6
  TOP w0.1: U2.N8 48.12,10.35 47.5,10.35 47.32,10.53 47.32,11.06 46.99,11.39 46.99,12.24 46.88,12.35 v1(46.87,12.35) ; R34.2 41.69,10.22 v1(42.61,10.22)
  TOP w0.127: U4.AE18 v1(47.51,30.53)
  SIG_L5 w0.121: v1(42.61,10.22) 42.74,10.22 42.96,10.45 45.77,10.45 46.87,11.55 v1(46.87,12.35)
  SIG_L8 w0.121: v1(46.87,12.35) 46.42,12.35 46.03,11.96 45.44,11.96 45.28,12.13 45.28,12.64 45.15,12.76 44.51,12.76 44.39,12.64 44.39,12.13 44.22,11.96 43.66,11.96 43.43,12.19 43.43,12.5 42.99,12.94 42.99,13.3 43.43,13.74 43.43,19.91 41.71,21.64 41.71,26.87 43.73,28.89 44.58,28.89 44.7,29.02 44.7,29.14 44.82,29.26 45.41,29.26 45.53,29.14 45.53,29.02 45.66,28.89 46.16,28.89 46.29,29.02 46.29,30.04 46.42,30.16 47.12,30.16 47.48,30.53 v1(47.51,30.53)
  BOTTOM w0.1: v1(46.87,12.35) 47.33,12.35 47.75,12.78 47.75,13.37 48.12,13.73 48.12,14.35 U11.N8
DDR1_BA2: length 47.4
  TOP w0.1: U2.M3 49.32,13.6 48.99,13.27 48.99,12.83 49.26,12.56 49.26,11.71 49.37,11.6 v1(49.37,11.6) ; v1(42.61,8.45) 41.69,8.45 R42.2
  TOP w0.127: U4.AB18 v1(49.9,30.52)
  SIG_L5 w0.121: v1(49.37,11.6) 49.37,11.51 46.91,9.05 46.91,8.62 46.67,8.38 45.43,8.38 44.88,8.93 43.47,8.93 42.99,8.45 v1(42.61,8.45)
  SIG_L10 w0.121: v1(49.9,30.52) 49.5,30.13 49.5,29.46 49.63,29.34 50.17,29.34 50.32,29.18 50.32,28.71 50.17,28.56 49.63,28.56 49.5,28.43 49.5,27.92 49.3,27.72 48.93,27.72 48.7,27.49 48.7,27.17 48.47,26.94 48.21,26.94 47.9,26.63 47.9,26.37 47.67,26.14 47.35,26.14 47.1,25.89 47.1,25.57 46.87,25.34 46.61,25.34 46.57,25.29 46.56,25.29 46.34,25.08 46.34,24.83 46.02,24.51 45.72,24.51 45.47,24.26 45.47,23.97 45.26,23.76 44.91,23.76 44.7,23.56 44.7,22.35 45.21,21.84 45.21,20.64 46.48,19.37 48.51,19.37 48.89,18.99 48.89,17.72 49.02,17.59 49.57,17.59 49.7,17.46 49.7,16.83 49.83,16.7 50.17,16.7 50.29,16.57 50.29,16.14 50.42,16.01 50.78,16.01 50.91,15.88 50.91,15.69 50.78,15.56 50.42,15.56 50.29,15.44 50.29,15.24 50.42,15.11 50.86,15.11 50.99,14.99 50.99,14.8 50.86,14.67 50.42,14.67 50.29,14.54 50.29,14.35 50.42,14.22 50.86,14.22 50.99,14.1 50.99,13.91 50.86,13.78 50.29,13.78 49.76,13.25 49.76,12.87 49.37,12.48 v1(49.37,11.6)